# Allegro board S071AA-0413-20260427_Power3.brd (continued)
## Routing (per net, layer and track width the routed paths; a pad name or vN(x,y) marks a point on that pad's centre or on a via; arc(x,y) is an arc through that point) (continued)
; KS3.7 40.66,147.98 ; 180.61,347.17 D114.B10 ; D114.B10 181.42,347.98 ; D114.B10 180.61,348.79 ; D114.B10 179.8,347.98 ; 45.99,380.19 D431.B5 ; D431.B5 46.8,381 ; D431.B5 45.18,381 ; D431.B5 45.99,381.81 ; 95.98,332.74 CSDPS225.B14 ; CSDPS225.B14 97.6,332.74 ; CSDPS225.B14 96.79,331.93 ; CSDPS225.B14 96.79,333.55 ; 16.07,361.95 UHC430.G1 ; UHC430.G1 16.88,362.76 ; UHC430.G1 16.88,361.14 ; UHC430.G1 17.69,361.95 ; 253.46,393.7 D112.A10 ; D112.A10 255.08,393.7 ; D112.A10 254.27,392.89 ; D112.A10 254.27,394.51 ; 88.36,16.51 DPS3.B01 ; DPS3.B01 89.17,17.32 ; DPS3.B01 89.98,16.51 ; DPS3.B01 89.17,15.7 ; D121.B13 119.65,99.87 ; D121.B13 120.46,99.06 ; D121.B13 118.84,99.06 ; D121.B13 119.65,98.25 ; D119.B1 16.32,58.42 ; D119.B1 14.7,58.42 ; D119.B1 15.51,57.61 ; D119.B1 15.51,59.23 ; CSDPS426.C11 105.22,360.68 ; CSDPS426.C11 104.41,359.87 ; CSDPS426.C11 103.6,360.68 ; CSDPS426.C11 104.41,361.49 ; D227.B9 109.49,371.65 ; D227.B9 110.3,370.84 ; D227.B9 108.68,370.84 ; D227.B9 109.49,370.03 ; D115.B4 196.66,368.3 ; D115.B4 195.85,367.49 ; D115.B4 195.85,369.11 ; D115.B4 195.04,368.3 ; 109.49,400.51 D428.B9 ; D428.B9 109.49,402.13 ; D428.B9 108.68,401.32 ; D428.B9 110.3,401.32 ; 190.77,55.07 D103.A12 ; D103.A12 189.96,55.88 ; D103.A12 190.77,56.69 ; D103.A12 191.58,55.88 ; 182.34,396.24 D116.A9 ; D116.A9 183.15,395.43 ; D116.A9 183.15,397.05 ; D116.A9 183.96,396.24 ; 114.57,400.51 D428.B7 ; D428.B7 113.76,401.32 ; D428.B7 115.38,401.32 ; D428.B7 114.57,402.13 ; KS3.6 54.47,149.1 ; KS3.6 52.24,149.1 ; KS3.6 53.36,147.98 ; KS3.6 53.36,150.22 ; D114.A8 185.69,353.87 ; D114.A8 184.88,353.06 ; D114.A8 185.69,352.25 ; D114.A8 186.5,353.06 ; D120.B2 18.86,40.64 ; D120.B2 18.05,39.83 ; D120.B2 18.05,41.45 ; D120.B2 17.24,40.64 ; D108.B5 247.46,38.1 ; D108.B5 246.65,38.91 ; D108.B5 246.65,37.29 ; D108.B5 245.84,38.1 ; D105.A1 237.3,93.98 ; D105.A1 236.49,94.79 ; D105.A1 235.68,93.98 ; D105.A1 236.49,93.17 ; D124.B4 97.6,40.64 ; D124.B4 96.79,39.83 ; D124.B4 95.98,40.64 ; D124.B4 96.79,41.45 ; 90.9,383.54 D427.A16 ; D427.A16 92.52,383.54 ; D427.A16 91.71,382.73 ; D427.A16 91.71,384.35 ; D232.A1 56.15,397.05 ; D232.A1 55.34,396.24 ; D232.A1 56.96,396.24 ; D232.A1 56.15,395.43 ; 14.7,78.74 D118.B1 ; D118.B1 15.51,79.55 ; D118.B1 15.51,77.93 ; D118.B1 16.32,78.74 ; D227.B11 104.41,371.65 ; D227.B11 104.41,370.03 ; D227.B11 105.22,370.84 ; D227.B11 103.6,370.84 ; 30.75,380.19 D431.B11 ; D431.B11 29.94,381 ; D431.B11 31.56,381 ; D431.B11 30.75,381.81 ; 118.84,401.32 D428.B5 ; D428.B5 120.46,401.32 ; D428.B5 119.65,400.51 ; D428.B5 119.65,402.13 ; 175.53,80.47 D102.B6 ; D102.B6 176.34,81.28 ; D102.B6 175.53,82.09 ; D102.B6 174.72,81.28 ; D118.A1 16.32,73.66 ; D118.A1 14.7,73.66 ; D118.A1 15.51,74.47 ; D118.A1 15.51,72.85 ; 178.07,375.11 D115.A11 ; D115.A11 178.88,375.92 ; D115.A11 178.07,376.73 ; D115.A11 177.26,375.92 ; 244.11,39.83 D108.B4 ; D108.B4 244.11,41.45 ; D108.B4 243.3,40.64 ; D108.B4 244.92,40.64 ; 264.43,326.85 D109.B6 ; D109.B6 265.24,327.66 ; D109.B6 264.43,328.47 ; D109.B6 263.62,327.66 ; 271.24,396.24 D112.A3 ; D112.A3 272.86,396.24 ; D112.A3 272.05,395.43 ; D112.A3 272.05,397.05 ; D109.B7 261.89,331.01 ; D109.B7 262.7,330.2 ; D109.B7 261.08,330.2 ; D109.B7 261.89,329.39 ; D106.A10 259.35,77.01 ; D106.A10 260.16,76.2 ; D106.A10 259.35,75.39 ; D106.A10 258.54,76.2 ; D105.B15 272.86,99.06 ; D105.B15 272.05,98.25 ; D105.B15 272.05,99.87 ; D105.B15 271.24,99.06 ; D431.A1 56.96,386.08 ; D431.A1 56.15,385.27 ; D431.A1 55.34,386.08 ; D431.A1 56.15,386.89 ; 203.47,411.94 DPS2.B01 ; DPS2.B01 203.47,413.56 ; DPS2.B01 202.66,412.75 ; DPS2.B01 204.28,412.75 ; D114.B13 172.99,351.33 ; D114.B13 173.8,350.52 ; D114.B13 172.99,349.71 ; D114.B13 172.18,350.52 ; 93.44,330.2 CSDPS225.C15 ; CSDPS225.C15 94.25,331.01 ; CSDPS225.C15 95.06,330.2 ; CSDPS225.C15 94.25,329.39 ; 251.73,334.47 D109.A11 ; D109.A11 251.73,336.09 ; D109.A11 250.92,335.28 ; D109.A11 252.54,335.28 ; 126.46,60.96 D123.B16 ; D123.B16 127.27,61.77 ; D123.B16 127.27,60.15 ; D123.B16 128.08,60.96 ; 33.29,75.39 D118.A8 ; D118.A8 32.48,76.2 ; D118.A8 33.29,77.01 ; D118.A8 34.1,76.2 ; D110.A11 252.54,355.6 ; D110.A11 251.73,356.41 ; D110.A11 250.92,355.6 ; D110.A11 251.73,354.79 ; 47.72,101.6 D117.B14 ; D117.B14 48.53,100.79 ; D117.B14 49.34,101.6 ; D117.B14 48.53,102.41 ; D118.B5 26.48,78.74 ; D118.B5 25.67,77.93 ; D118.B5 25.67,79.55 ; D118.B5 24.86,78.74 ; 98.52,340.36 CSDPS425.C13 ; CSDPS425.C13 99.33,341.17 ; CSDPS425.C13 99.33,339.55 ; CSDPS425.C13 100.14,340.36 ; D107.A14 269.51,56.69 ; D107.A14 268.7,55.88 ; D107.A14 269.51,55.07 ; D107.A14 270.32,55.88 ; D227.B16 91.71,369.11 ; D227.B16 92.52,368.3 ; D227.B16 91.71,367.49 ; D227.B16 90.9,368.3 ; CSDPS426.C3 125.54,360.68 ; CSDPS426.C3 124.73,361.49 ; CSDPS426.C3 123.92,360.68 ; CSDPS426.C3 124.73,359.87 ; 108.68,391.16 D228.B9 ; D228.B9 109.49,391.97 ; D228.B9 109.49,390.35 ; D228.B9 110.3,391.16 ; 180.61,80.47 D102.B8 ; D102.B8 179.8,81.28 ; D102.B8 181.42,81.28 ; D102.B8 180.61,82.09 ; 241.57,354.79 D110.A15 ; D110.A15 240.76,355.6 ; D110.A15 242.38,355.6 ; D110.A15 241.57,356.41 ; 14.92,353.54 UHC230.G4_5 ; UHC230.G4_5 15.73,352.73 ; UHC230.G4_5 15.73,354.35 ; UHC230.G4_5 16.54,353.54 ; 94.25,385.27 D427.A15 ; D427.A15 95.06,386.08 ; D427.A15 94.25,386.89 ; D427.A15 93.44,386.08 ; CSDPS426.C5 120.46,360.68 ; CSDPS426.C5 118.84,360.68 ; CSDPS426.C5 119.65,359.87 ; CSDPS426.C5 119.65,361.49 ; D116.B10 180.61,389.43 ; D116.B10 180.61,387.81 ; D116.B10 179.8,388.62 ; D116.B10 181.42,388.62 ; 22.32,332.74 CSDPS229.B14 ; CSDPS229.B14 23.94,332.74 ; CSDPS229.B14 23.13,331.93 ; CSDPS229.B14 23.13,333.55 ; 249.19,55.07 D107.A6 ; D107.A6 248.38,55.88 ; D107.A6 250,55.88 ; D107.A6 249.19,56.69 ; 45.18,412.75 DPS8.B05 ; DPS8.B05 45.99,413.56 ; DPS8.B05 45.99,411.94 ; DPS8.B05 46.8,412.75 ; D124.A1 89.98,33.02 ; D124.A1 89.17,32.21 ; D124.A1 88.36,33.02 ; D124.A1 89.17,33.83 ; 271.24,330.2 D109.B3 ; D109.B3 272.05,331.01 ; D109.B3 272.86,330.2 ; D109.B3 272.05,329.39 ; 108.68,99.06 D121.B9 ; D121.B9 109.49,99.87 ; D121.B9 109.49,98.25 ; D121.B9 110.3,99.06 ; 256.81,37.29 D108.B9 ; D108.B9 256,38.1 ; D108.B9 257.62,38.1 ; D108.B9 256.81,38.91 ; D107.B1 236.49,59.23 ; D107.B1 236.49,57.61 ; D107.B1 237.3,58.42 ; D107.B1 235.68,58.42 ; 124.73,57.61 D123.B15 ; D123.B15 124.73,59.23 ; D123.B15 123.92,58.42 ; D123.B15 125.54,58.42 ; D122.A6 102.68,76.2 ; D122.A6 101.06,76.2 ; D122.A6 101.87,77.01 ; D122.A6 101.87,75.39 ; D119.A14 49.34,55.88 ; D119.A14 47.72,55.88 ; D119.A14 48.53,56.69 ; D119.A14 48.53,55.07 ; D117.B8 34.1,101.6 ; D117.B8 33.29,102.41 ; D117.B8 32.48,101.6 ; D117.B8 33.29,100.79 ; D107.A15 272.05,54.15 ; D107.A15 272.05,52.53 ; D107.A15 272.86,53.34 ; D107.A15 271.24,53.34 ; D111.A10 255.08,373.38 ; D111.A10 254.27,372.57 ; D111.A10 254.27,374.19 ; D111.A10 253.46,373.38 ; CSDPS225.B16 92.52,332.74 ; CSDPS225.B16 91.71,331.93 ; CSDPS225.B16 91.71,333.55 ; CSDPS225.B16 90.9,332.74 ; 169.64,96.52 D101.A4 ; D101.A4 171.26,96.52 ; D101.A4 170.45,97.33 ; D101.A4 170.45,95.71 ; 170.45,75.39 D102.A4 ; D102.A4 171.26,76.2 ; D102.A4 169.64,76.2 ; D102.A4 170.45,77.01 ; DPS8.B15 20.59,413.56 ; DPS8.B15 21.4,412.75 ; DPS8.B15 20.59,411.94 ; DPS8.B15 19.78,412.75 ; 35.02,330.2 CSDPS229.C9 ; CSDPS229.C9 36.64,330.2 ; CSDPS229.C9 35.83,329.39 ; CSDPS229.C9 35.83,331.01 ; D113.B1 203.47,331.01 ; D113.B1 204.28,330.2 ; D113.B1 202.66,330.2 ; D113.B1 203.47,329.39 ; 93.44,401.32 D428.B15 ; D428.B15 94.25,402.13 ; D428.B15 94.25,400.51 ; D428.B15 95.06,401.32 ; UHC230.G4_4 18.03,354.35 ; UHC230.G4_4 18.03,352.73 ; UHC230.G4_4 17.22,353.54 ; UHC230.G4_4 18.84,353.54 ; 177.26,415.29 DPS2.A11 ; DPS2.A11 178.07,416.1 ; DPS2.A11 178.88,415.29 ; DPS2.A11 178.07,414.48 ; 243.3,332.74 D109.A14 ; D109.A14 244.92,332.74 ; D109.A14 244.11,331.93 ; D109.A14 244.11,333.55 ; D117.B4 23.13,102.41 ; D117.B4 23.13,100.79 ; D117.B4 22.32,101.6 ; D117.B4 23.94,101.6 ; D105.B2 239.03,102.41 ; D105.B2 238.22,101.6 ; D105.B2 239.03,100.79 ; D105.B2 239.84,101.6 ; D432.A12 29.02,403.86 ; D432.A12 27.4,403.86 ; D432.A12 28.21,403.05 ; D432.A12 28.21,404.67 ; D108.A2 239.03,36.37 ; D108.A2 239.84,35.56 ; D108.A2 239.03,34.75 ; D108.A2 238.22,35.56 ; 248.38,40.64 D108.B6 ; D108.B6 249.19,41.45 ; D108.B6 249.19,39.83 ; D108.B6 250,40.64 ; D231.A12 28.21,374.19 ; D231.A12 28.21,372.57 ; D231.A12 27.4,373.38 ; D231.A12 29.02,373.38 ; D117.B16 54.42,101.6 ; D117.B16 52.8,101.6 ; D117.B16 53.61,102.41 ; D117.B16 53.61,100.79 ; 52.8,342.9 CSDPS429.B2 ; CSDPS429.B2 54.42,342.9 ; CSDPS429.B2 53.61,342.09 ; CSDPS429.B2 53.61,343.71 ; D110.B8 260.16,347.98 ; D110.B8 259.35,347.17 ; D110.B8 258.54,347.98 ; D110.B8 259.35,348.79 ; 103.6,350.52 CSDPS226.C11 ; CSDPS226.C11 104.41,351.33 ; CSDPS226.C11 105.22,350.52 ; CSDPS226.C11 104.41,349.71 ; 177.26,350.52 D114.B11 ; D114.B11 178.07,351.33 ; D114.B11 178.88,350.52 ; D114.B11 178.07,349.71 ; 89.17,405.59 D428.A17 ; D428.A17 89.98,406.4 ; D428.A17 89.17,407.21 ; D428.A17 88.36,406.4 ; 169.64,40.64 D104.B4 ; D104.B4 170.45,39.83 ; D104.B4 171.26,40.64 ; D104.B4 170.45,41.45 ; D121.A16 127.27,97.33 ; D121.A16 127.27,95.71 ; D121.A16 128.08,96.52 ; D121.A16 126.46,96.52 ; D101.B3 168.72,99.06 ; D101.B3 167.91,99.87 ; D101.B3 167.1,99.06 ; D101.B3 167.91,98.25 ; D114.A4 195.85,353.87 ; D114.A4 196.66,353.06 ; D114.A4 195.04,353.06 ; D114.A4 195.85,352.25 ; D103.B11 188.23,59.23 ; D103.B11 187.42,58.42 ; D103.B11 189.04,58.42 ; D103.B11 188.23,57.61 ; DPS8.A05 45.99,416.1 ; DPS8.A05 46.8,415.29 ; DPS8.A05 45.18,415.29 ; DPS8.A05 45.99,414.48 ; 195.85,387.81 D116.B4 ; D116.B4 195.85,389.43 ; D116.B4 196.66,388.62 ; D116.B4 195.04,388.62 ; 93.44,360.68 CSDPS426.C15 ; CSDPS426.C15 94.25,361.49 ; CSDPS426.C15 95.06,360.68 ; CSDPS426.C15 94.25,359.87 ; 272.05,390.35 D112.B3 ; D112.B3 272.86,391.16 ; D112.B3 271.24,391.16 ; D112.B3 272.05,391.97 ; D120.A16 54.42,35.56 ; D120.A16 53.61,36.37 ; D120.A16 52.8,35.56 ; D120.A16 53.61,34.75 ; D111.A4 270.32,373.38 ; D111.A4 269.51,374.19 ; D111.A4 268.7,373.38 ; D111.A4 269.51,372.57 ; D107.A13 267.78,53.34 ; D107.A13 266.97,52.53 ; D107.A13 266.16,53.34 ; D107.A13 266.97,54.15 ; D427.B15 95.06,381 ; D427.B15 93.44,381 ; D427.B15 94.25,381.81 ; D427.B15 94.25,380.19 ; D227.B8 112.84,368.3 ; D227.B8 112.03,367.49 ; D227.B8 112.03,369.11 ; D227.B8 111.22,368.3 ; 268.7,60.96 D107.B14 ; D107.B14 270.32,60.96 ; D107.B14 269.51,60.15 ; D107.B14 269.51,61.77 ; 104.41,98.25 D121.B7 ; D121.B7 104.41,99.87 ; D121.B7 103.6,99.06 ; D121.B7 105.22,99.06 ; D123.B12 117.11,61.77 ; D123.B12 117.92,60.96 ; D123.B12 116.3,60.96 ; D123.B12 117.11,60.15 ; 106.14,96.52 D121.A8 ; D121.A8 106.95,95.71 ; D121.A8 106.95,97.33 ; D121.A8 107.76,96.52 ; D111.A16 239.03,374.19 ; D111.A16 239.84,373.38 ; D111.A16 238.22,373.38 ; D111.A16 239.03,372.57 ; 37.56,373.38 D231.A8 ; D231.A8 38.37,374.19 ; D231.A8 38.37,372.57 ; D231.A8 39.18,373.38 ; 250.92,38.1 D108.B7 ; D108.B7 251.73,38.91 ; D108.B7 252.54,38.1 ; D108.B7 251.73,37.29 ; 101.06,35.56 D124.A6 ; D124.A6 101.87,34.75 ; D124.A6 101.87,36.37 ; D124.A6 102.68,35.56 ; UHC430.G2_10 46.34,360.2 ; UHC430.G2_10 45.53,359.39 ; UHC430.G2_10 45.53,361.01 ; UHC430.G2_10 44.72,360.2 ; UHC230.G4_13 14.58,349.1 ; UHC230.G4_13 15.39,348.29 ; UHC230.G4_13 14.58,347.48 ; UHC230.G4_13 13.77,348.29 ; 98.52,370.84 D227.B13 ; D227.B13 100.14,370.84 ; D227.B13 99.33,371.65 ; D227.B13 99.33,370.03 ; 174.72,368.3 D115.B12 ; D115.B12 176.34,368.3 ; D115.B12 175.53,367.49 ; D115.B12 175.53,369.11 ; D427.B2 128.08,378.46 ; D427.B2 126.46,378.46 ; D427.B2 127.27,379.27 ; D427.B2 127.27,377.65 ; 30.75,414.48 DPS8.A11 ; DPS8.A11 30.75,416.1 ; DPS8.A11 31.56,415.29 ; DPS8.A11 29.94,415.29 ; D432.A6 43.45,404.67 ; D432.A6 42.64,403.86 ; D432.A6 44.26,403.86 ; D432.A6 43.45,403.05 ; 195.04,96.52 D101.A14 ; D101.A14 195.85,95.71 ; D101.A14 196.66,96.52 ; D101.A14 195.85,97.33 ; 174.72,55.88 D103.A6 ; D103.A6 176.34,55.88 ; D103.A6 175.53,56.69 ; D103.A6 175.53,55.07 ; D228.B12 102.68,388.62 ; D228.B12 101.06,388.62 ; D228.B12 101.87,389.43 ; D228.B12 101.87,387.81 ; 24.86,370.84 D231.B13 ; D231.B13 25.67,371.65 ; D231.B13 26.48,370.84 ; D231.B13 25.67,370.03 ; 51.07,380.19 D431.B3 ; D431.B3 51.88,381 ; D431.B3 51.07,381.81 ; D431.B3 50.26,381 ; UHC230.G4_11 19.18,349.1 ; UHC230.G4_11 19.18,347.48 ; UHC230.G4_11 18.37,348.29 ; UHC230.G4_11 19.99,348.29 ; D427.B17 89.17,381.81 ; D427.B17 88.36,381 ; D427.B17 89.98,381 ; D427.B17 89.17,380.19 ; D120.B7 30.75,38.91 ; D120.B7 30.75,37.29 ; D120.B7 31.56,38.1 ; D120.B7 29.94,38.1 ; DPS2.A01 203.47,416.1 ; DPS2.A01 202.66,415.29 ; DPS2.A01 204.28,415.29 ; DPS2.A01 203.47,414.48 ; D118.B2 18.86,81.28 ; D118.B2 18.05,80.47 ; D118.B2 17.24,81.28 ; D118.B2 18.05,82.09 ; 174.72,76.2 D102.A6 ; D102.A6 175.53,75.39 ; D102.A6 176.34,76.2 ; D102.A6 175.53,77.01 ; D103.B1 162.83,59.23 ; D103.B1 162.83,57.61 ; D103.B1 162.02,58.42 ; D103.B1 163.64,58.42 ; D123.A16 127.27,56.69 ; D123.A16 128.08,55.88 ; D123.A16 126.46,55.88 ; D123.A16 127.27,55.07 ; D103.A7 178.07,54.15 ; D103.A7 178.88,53.34 ; D103.A7 178.07,52.53 ; D103.A7 177.26,53.34 ; D102.A12 191.58,76.2 ; D102.A12 189.96,76.2 ; D102.A12 190.77,77.01 ; D102.A12 190.77,75.39 ; 44.38,347.48 UHC230.G3_13 ; UHC230.G3_13 45.19,348.29 ; UHC230.G3_13 43.57,348.29 ; UHC230.G3_13 44.38,349.1 ; 193.31,93.17 D101.A13 ; D101.A13 194.12,93.98 ; D101.A13 193.31,94.79 ; D101.A13 192.5,93.98 ; CSDPS226.B4 122.19,353.87 ; CSDPS226.B4 123,353.06 ; CSDPS226.B4 121.38,353.06 ; CSDPS226.B4 122.19,352.25 ; 114.57,13.16 DPS3.A11 ; DPS3.A11 115.38,13.97 ; DPS3.A11 113.76,13.97 ; DPS3.A11 114.57,14.78 ; D110.B10 255.08,347.98 ; D110.B10 254.27,347.17 ; D110.B10 254.27,348.79 ; D110.B10 253.46,347.98 ; D119.A3 20.59,54.15 ; D119.A3 21.4,53.34 ; D119.A3 19.78,53.34 ; D119.A3 20.59,52.53 ; D110.A4 270.32,353.06 ; D110.A4 269.51,353.87 ; D110.A4 268.7,353.06 ; D110.A4 269.51,352.25 ; D228.B13 100.14,391.16 ; D228.B13 99.33,390.35 ; D228.B13 98.52,391.16 ; D228.B13 99.33,391.97 ; 104.41,405.59 D428.A11 ; D428.A11 105.22,406.4 ; D428.A11 103.6,406.4 ; D428.A11 104.41,407.21 ; D112.B7 261.89,391.97 ; D112.B7 262.7,391.16 ; D112.B7 261.08,391.16 ; D112.B7 261.89,390.35 ; 167.91,370.03 D115.B15 ; D115.B15 167.1,370.84 ; D115.B15 168.72,370.84 ; D115.B15 167.91,371.65 ; D108.A12 264.43,36.37 ; D108.A12 265.24,35.56 ; D108.A12 264.43,34.75 ; D108.A12 263.62,35.56 ; D122.A13 119.65,74.47 ; D122.A13 120.46,73.66 ; D122.A13 118.84,73.66 ; D122.A13 119.65,72.85 ; D114.B7 188.23,351.33 ; D114.B7 187.42,350.52 ; D114.B7 189.04,350.52 ; D114.B7 188.23,349.71 ; D105.A2 239.03,97.33 ; D105.A2 239.03,95.71 ; D105.A2 238.22,96.52 ; D105.A2 239.84,96.52 ; 95.98,353.06 CSDPS226.B14 ; CSDPS226.B14 97.6,353.06 ; CSDPS226.B14 96.79,353.87 ; CSDPS226.B14 96.79,352.25 ; 127.27,342.09 CSDPS425.B2 ; CSDPS425.B2 128.08,342.9 ; CSDPS425.B2 127.27,343.71 ; CSDPS425.B2 126.46,342.9 ; 184.88,368.3 D115.B8 ; D115.B8 185.69,369.11 ; D115.B8 186.5,368.3 ; D115.B8 185.69,367.49 ; D232.A12 28.21,394.51 ; D232.A12 27.4,393.7 ; D232.A12 28.21,392.89 ; D232.A12 29.02,393.7 ; 45.18,396.24 D232.A5 ; D232.A5 45.99,395.43 ; D232.A5 46.8,396.24 ; D232.A5 45.99,397.05 ; D108.A10 259.35,36.37 ; D108.A10 260.16,35.56 ; D108.A10 258.54,35.56 ; D108.A10 259.35,34.75 ; D119.B7 30.75,59.23 ; D119.B7 29.94,58.42 ; D119.B7 31.56,58.42 ; D119.B7 30.75,57.61 ; D101.A10 186.5,96.52 ; D101.A10 185.69,95.71 ; D101.A10 185.69,97.33 ; D101.A10 184.88,96.52 ; 99.33,385.27 D427.A13 ; D427.A13 99.33,386.89 ; D427.A13 98.52,386.08 ; D427.A13 100.14,386.08 ; D122.A12 117.11,77.01 ; D122.A12 117.92,76.2 ; D122.A12 116.3,76.2 ; D122.A12 117.11,75.39 ; D102.B2 165.37,82.09 ; D102.B2 166.18,81.28 ; D102.B2 165.37,80.47 ; D102.B2 164.56,81.28 ; D117.B1 15.51,99.87 ; D117.B1 15.51,98.25 ; D117.B1 14.7,99.06 ; D117.B1 16.32,99.06 ; 235.68,19.05 DPS1.C01 ; DPS1.C01 236.49,18.24 ; DPS1.C01 237.3,19.05 ; DPS1.C01 236.49,19.86 ; D123.A5 99.33,54.15 ; D123.A5 99.33,52.53 ; D123.A5 98.52,53.34 ; D123.A5 100.14,53.34 ; D124.B16 127.27,41.45 ; D124.B16 126.46,40.64 ; D124.B16 127.27,39.83 ; D124.B16 128.08,40.64 ; 114.57,370.03 D227.B7 ; D227.B7 114.57,371.65 ; D227.B7 115.38,370.84 ; D227.B7 113.76,370.84 ; 167.91,414.48 DPS2.A15 ; DPS2.A15 168.72,415.29 ; DPS2.A15 167.1,415.29 ; DPS2.A15 167.91,416.1 ; 175.53,39.83 D104.B6 ; D104.B6 174.72,40.64 ; D104.B6 175.53,41.45 ; D104.B6 176.34,40.64 ; D104.A4 171.26,35.56 ; D104.A4 170.45,36.37 ; D104.A4 169.64,35.56 ; D104.A4 170.45,34.75 ; 29.94,391.16 D232.B11 ; D232.B11 30.75,391.97 ; D232.B11 31.56,391.16 ; D232.B11 30.75,390.35 ; 114.57,18.24 DPS3.C11 ; DPS3.C11 114.57,19.86 ; DPS3.C11 115.38,19.05 ; DPS3.C11 113.76,19.05 ; D123.A11 114.57,54.15 ; D123.A11 115.38,53.34 ; D123.A11 114.57,52.53 ; D123.A11 113.76,53.34 ; D121.B10 112.84,101.6 ; D121.B10 111.22,101.6 ; D121.B10 112.03,102.41 ; D121.B10 112.03,100.79 ; 167.91,390.35 D116.B15 ; D116.B15 167.91,391.97 ; D116.B15 167.1,391.16 ; D116.B15 168.72,391.16 ; D108.A15 272.86,33.02 ; D108.A15 272.05,32.21 ; D108.A15 271.24,33.02 ; D108.A15 272.05,33.83 ; 124.73,370.03 D227.B3 ; D227.B3 123.92,370.84 ; D227.B3 125.54,370.84 ; D227.B3 124.73,371.65 ; 272.05,37.29 D108.B15 ; D108.B15 271.24,38.1 ; D108.B15 272.05,38.91 ; D108.B15 272.86,38.1 ; 29.94,330.2 CSDPS229.C11 ; CSDPS229.C11 30.75,331.01 ; CSDPS229.C11 31.56,330.2 ; CSDPS229.C11 30.75,329.39 ; 243.3,60.96 D107.B4 ; D107.B4 244.11,60.15 ; D107.B4 244.92,60.96 ; D107.B4 244.11,61.77 ; 241.57,37.29 D108.B3 ; D108.B3 240.76,38.1 ; D108.B3 241.57,38.91 ; D108.B3 242.38,38.1 ; CSDPS226.C9 109.49,351.33 ; CSDPS226.C9 108.68,350.52 ; CSDPS226.C9 110.3,350.52 ; CSDPS226.C9 109.49,349.71 ; CSDPS429.C11 30.75,341.17 ; CSDPS429.C11 29.94,340.36 ; CSDPS429.C11 31.56,340.36 ; CSDPS429.C11 30.75,339.55 ; D231.B17 16.32,370.84 ; D231.B17 15.51,370.03 ; D231.B17 15.51,371.65 ; D231.B17 14.7,370.84 ; 253.46,40.64 D108.B8 ; D108.B8 255.08,40.64 ; D108.B8 254.27,39.83 ; D108.B8 254.27,41.45 ; D428.B12 102.68,398.78 ; D428.B12 101.06,398.78 ; D428.B12 101.87,399.59 ; D428.B12 101.87,397.97 ; 91.71,75.39 D122.A2 ; D122.A2 92.52,76.2 ; D122.A2 90.9,76.2 ; D122.A2 91.71,77.01 ; D227.A9 110.3,375.92 ; D227.A9 109.49,376.73 ; D227.A9 109.49,375.11 ; D227.A9 108.68,375.92 ; D228.A9 110.3,396.24 ; D228.A9 109.49,395.43 ; D228.A9 108.68,396.24 ; D228.A9 109.49,397.05 ; D105.B8 255.08,101.6 ; D105.B8 254.27,100.79 ; D105.B8 254.27,102.41 ; D105.B8 253.46,101.6 ; D431.B8 38.37,379.27 ; D431.B8 39.18,378.46 ; D431.B8 37.56,378.46 ; D431.B8 38.37,377.65 ; KS4.7 41.77,156.72 ; KS4.7 39.54,156.72 ; KS4.7 40.66,155.6 ; KS4.7 40.66,157.84 ; 40.91,52.53 D119.A11 ; D119.A11 40.1,53.34 ; D119.A11 40.91,54.15 ; D119.A11 41.72,53.34 ; 40.1,375.92 D231.A7 ; D231.A7 40.91,376.73 ; D231.A7 40.91,375.11 ; D231.A7 41.72,375.92 ; D113.B4 195.85,328.47 ; D113.B4 195.04,327.66 ; D113.B4 195.85,326.85 ; D113.B4 196.66,327.66 ; 45.99,32.21 D120.A13 ; D120.A13 46.8,33.02 ; D120.A13 45.99,33.83 ; D120.A13 45.18,33.02 ; D116.B7 189.04,391.16 ; D116.B7 187.42,391.16 ; D116.B7 188.23,390.35 ; D116.B7 188.23,391.97 ; 101.87,403.05 D428.A12 ; D428.A12 102.68,403.86 ; D428.A12 101.06,403.86 ; D428.A12 101.87,404.67 ; D231.B2 53.61,369.11 ; D231.B2 53.61,367.49 ; D231.B2 52.8,368.3 ; D231.B2 54.42,368.3 ; D101.A6 176.34,96.52 ; D101.A6 174.72,96.52 ; D101.A6 175.53,97.33 ; D101.A6 175.53,95.71 ; 271.24,58.42 D107.B15 ; D107.B15 272.05,59.23 ; D107.B15 272.05,57.61 ; D107.B15 272.86,58.42 ; 245.84,19.05 DPS1.C05 ; DPS1.C05 246.65,18.24 ; DPS1.C05 247.46,19.05 ; DPS1.C05 246.65,19.86 ; 245.84,58.42 D107.B5 ; D107.B5 246.65,57.61 ; D107.B5 246.65,59.23 ; D107.B5 247.46,58.42 ; D427.B3 125.54,381 ; D427.B3 124.73,380.19 ; D427.B3 123.92,381 ; D427.B3 124.73,381.81 ; CSDPS226.C5 120.46,350.52 ; CSDPS226.C5 118.84,350.52 ; CSDPS226.C5 119.65,351.33 ; CSDPS226.C5 119.65,349.71 ; 261.89,375.11 D111.A7 ; D111.A7 261.89,376.73 ; D111.A7 262.7,375.92 ; D111.A7 261.08,375.92 ; 200.12,368.3 D115.B2 ; D115.B2 200.93,367.49 ; D115.B2 200.93,369.11 ; D115.B2 201.74,368.3 ; 43.57,365.45 UHC430.G2_3 ; UHC430.G2_3 45.19,365.45 ; UHC430.G2_3 44.38,364.64 ; UHC430.G2_3 44.38,366.26 ; 47.83,352.73 UHC230.G3_4 ; UHC230.G3_4 48.64,353.54 ; UHC230.G3_4 47.83,354.35 ; UHC230.G3_4 47.02,353.54 ; 193.31,375.11 D115.A5 ; D115.A5 194.12,375.92 ; D115.A5 193.31,376.73 ; D115.A5 192.5,375.92 ; CSDPS426.C1 130.62,360.68 ; CSDPS426.C1 129.81,359.87 ; CSDPS426.C1 129.81,361.49 ; CSDPS426.C1 129,360.68 ; D123.B8 106.95,61.77 ; D123.B8 107.76,60.96 ; D123.B8 106.14,60.96 ; D123.B8 106.95,60.15 ; CSDPS429.B10 33.29,343.71 ; CSDPS429.B10 32.48,342.9 ; CSDPS429.B10 33.29,342.09 ; CSDPS429.B10 34.1,342.9 ; D109.A16 239.84,332.74 ; D109.A16 239.03,333.55 ; D109.A16 239.03,331.93 ; D109.A16 238.22,332.74 ; 47.02,350.04 UHC230.G3_9 ; UHC230.G3_9 47.83,349.23 ; UHC230.G3_9 48.64,350.04 ; UHC230.G3_9 47.83,350.85 ; 111.22,40.64 D124.B10 ; D124.B10 112.03,39.83 ; D124.B10 112.03,41.45 ; D124.B10 112.84,40.64 ; 52.8,60.96 D119.B16 ; D119.B16 54.42,60.96 ; D119.B16 53.61,61.77 ; D119.B16 53.61,60.15 ; D428.A16 91.71,404.67 ; D428.A16 90.9,403.86 ; D428.A16 92.52,403.86 ; D428.A16 91.71,403.05 ; D103.A3 167.91,54.15 ; D103.A3 168.72,53.34 ; D103.A3 167.91,52.53 ; D103.A3 167.1,53.34 ; 37.56,368.3 D231.B8 ; D231.B8 39.18,368.3 ; D231.B8 38.37,369.11 ; D231.B8 38.37,367.49 ; 193.31,52.53 D103.A13 ; D103.A13 193.31,54.15 ; D103.A13 194.12,53.34 ; D103.A13 192.5,53.34 ; 98.52,13.97 DPS3.A05 ; DPS3.A05 100.14,13.97 ; DPS3.A05 99.33,14.78 ; DPS3.A05 99.33,13.16 ; 165.37,352.25 D114.A16 ; D114.A16 166.18,353.06 ; D114.A16 165.37,353.87 ; D114.A16 164.56,353.06 ; 190.77,372.57 D115.A6 ; D115.A6 189.96,373.38 ; D115.A6 190.77,374.19 ; D115.A6 191.58,373.38 ; 256.81,370.03 D111.B9 ; D111.B9 256,370.84 ; D111.B9 257.62,370.84 ; D111.B9 256.81,371.65 ; 129.81,385.27 D427.A1 ; D427.A1 129.81,386.89 ; D427.A1 129,386.08 ; D427.A1 130.62,386.08 ; D104.B1 162.83,38.91 ; D104.B1 162.83,37.29 ; D104.B1 163.64,38.1 ; D104.B1 162.02,38.1 ; 162.02,33.02 D104.A1 ; D104.A1 163.64,33.02 ; D104.A1 162.83,32.21 ; D104.A1 162.83,33.83 ; D107.A1 236.49,54.15 ; D107.A1 235.68,53.34 ; D107.A1 236.49,52.53 ; D107.A1 237.3,53.34 ; 187.42,396.24 D116.A7 ; D116.A7 188.23,397.05 ; D116.A7 188.23,395.43 ; D116.A7 189.04,396.24 ; D102.A11 189.04,73.66 ; D102.A11 188.23,74.47 ; D102.A11 187.42,73.66 ; D102.A11 188.23,72.85 ; DPS1.A11 262.7,13.97 ; DPS1.A11 261.89,13.16 ; DPS1.A11 261.08,13.97 ; DPS1.A11 261.89,14.78 ; D112.B2 274.59,389.43 ; D112.B2 275.4,388.62 ; D112.B2 273.78,388.62 ; D112.B2 274.59,387.81 ; CSDPS425.C9 110.3,340.36 ; CSDPS425.C9 108.68,340.36 ; CSDPS425.C9 109.49,339.55 ; CSDPS425.C9 109.49,341.17 ; D227.A13 99.33,376.73 ; D227.A13 99.33,375.11 ; D227.A13 98.52,375.92 ; D227.A13 100.14,375.92 ; 269.51,326.85 D109.B4 ; D109.B4 270.32,327.66 ; D109.B4 269.51,328.47 ; D109.B4 268.7,327.66 ; 124.73,52.53 D123.A15 ; D123.A15 123.92,53.34 ; D123.A15 124.73,54.15 ; D123.A15 125.54,53.34 ; UHC430.G1_12 16.88,359.26 ; UHC430.G1_12 17.69,358.45 ; UHC430.G1_12 16.07,358.45 ; UHC430.G1_12 16.88,357.64 ; D114.B12 175.53,348.79 ; D114.B12 174.72,347.98 ; D114.B12 176.34,347.98 ; D114.B12 175.53,347.17 ; D102.B16 201.74,81.28 ; D102.B16 200.12,81.28 ; D102.B16 200.93,80.47 ; D102.B16 200.93,82.09 ; 272.05,93.17 D105.A15 ; D105.A15 271.24,93.98 ; D105.A15 272.05,94.79 ; D105.A15 272.86,93.98 ; 114.57,77.93 D122.B11 ; D122.B11 114.57,79.55 ; D122.B11 113.76,78.74 ; D122.B11 115.38,78.74 ; 22.32,40.64 D120.B4 ; D120.B4 23.94,40.64 ; D120.B4 23.13,41.45 ; D120.B4 23.13,39.83 ; D232.B13 26.48,391.16 ; D232.B13 24.86,391.16 ; D232.B13 25.67,391.97 ; D232.B13 25.67,390.35 ; D123.A9 110.3,53.34 ; D123.A9 109.49,52.53 ; D123.A9 109.49,54.15 ; D123.A9 108.68,53.34 ; D113.A10 180.61,333.55 ; D113.A10 180.61,331.93 ; D113.A10 179.8,332.74 ; D113.A10 181.42,332.74 ; D114.A3 199.2,355.6 ; D114.A3 198.39,354.79 ; D114.A3 198.39,356.41 ; D114.A3 197.58,355.6 ; D227.A15 94.25,376.73 ; D227.A15 93.44,375.92 ; D227.A15 95.06,375.92 ; D227.A15 94.25,375.11 ; D115.A8 185.69,374.19 ; D115.A8 186.5,373.38 ; D115.A8 185.69,372.57 ; D115.A8 184.88,373.38 ; D104.A7 178.07,33.83 ; D104.A7 177.26,33.02 ; D104.A7 178.88,33.02 ; D104.A7 178.07,32.21 ; D431.A13 26.48,386.08 ; D431.A13 25.67,385.27 ; D431.A13 25.67,386.89 ; D431.A13 24.86,386.08 ; 248.38,76.2 D106.A6 ; D106.A6 250,76.2 ; D106.A6 249.19,77.01 ; D106.A6 249.19,75.39 ; D116.B13 173.8,391.16 ; D116.B13 172.18,391.16 ; D116.B13 172.99,390.35 ; D116.B13 172.99,391.97 ; 250.92,375.92 D111.A11 ; D111.A11 252.54,375.92 ; D111.A11 251.73,376.73 ; D111.A11 251.73,375.11 ; D428.B14 97.6,398.78 ; D428.B14 95.98,398.78 ; D428.B14 96.79,397.97 ; D428.B14 96.79,399.59 ; 263.62,81.28 D106.B12 ; D106.B12 264.43,82.09 ; D106.B12 264.43,80.47 ; D106.B12 265.24,81.28 ; 172.18,58.42 D103.B5 ; D103.B5 172.99,59.23 ; D103.B5 173.8,58.42 ; D103.B5 172.99,57.61 ; 112.03,392.89 D228.A8 ; D228.A8 111.22,393.7 ; D228.A8 112.03,394.51 ; D228.A8 112.84,393.7 ; 118.84,33.02 D124.A13 ; D124.A13 119.65,33.83 ; D124.A13 120.46,33.02 ; D124.A13 119.65,32.21 ; 269.51,95.71 D105.A14 ; D105.A14 269.51,97.33 ; D105.A14 270.32,96.52 ; D105.A14 268.7,96.52 ; D231.A13 25.67,376.73 ; D231.A13 25.67,375.11 ; D231.A13 26.48,375.92 ; D231.A13 24.86,375.92 ; 246.65,52.53 D107.A5 ; D107.A5 246.65,54.15 ; D107.A5 245.84,53.34 ; D107.A5 247.46,53.34 ; CSDPS226.B12 102.68,353.06 ; CSDPS226.B12 101.87,353.87 ; CSDPS226.B12 101.06,353.06 ; CSDPS226.B12 101.87,352.25 ; DPS8.C01 56.96,410.21 ; DPS8.C01 56.15,409.4 ; DPS8.C01 55.34,410.21 ; DPS8.C01 56.15,411.02 ; 16.88,347.48 UHC230.G4_12 ; UHC230.G4_12 16.88,349.1 ; UHC230.G4_12 16.07,348.29 ; UHC230.G4_12 17.69,348.29 ; 202.66,410.21 DPS2.C01 ; DPS2.C01 204.28,410.21 ; DPS2.C01 203.47,411.02 ; DPS2.C01 203.47,409.4 ; D119.A1 15.51,54.15 ; D119.A1 15.51,52.53 ; D119.A1 16.32,53.34 ; D119.A1 14.7,53.34 ; 274.59,326.85 D109.B2 ; D109.B2 275.4,327.66 ; D109.B2 273.78,327.66 ; D109.B2 274.59,328.47 ; 190.77,100.79 D101.B12 ; D101.B12 189.96,101.6 ; D101.B12 191.58,101.6 ; D101.B12 190.77,102.41 ; 37.56,403.86 D432.A8 ; D432.A8 38.37,404.67 ; D432.A8 39.18,403.86 ; D432.A8 38.37,403.05 ; UHC430.G2_6 49.79,361.95 ; UHC430.G2_6 48.17,361.95 ; UHC430.G2_6 48.98,361.14 ; UHC430.G2_6 48.98,362.76 ; 183.15,354.79 D114.A9 ; D114.A9 183.15,356.41 ; D114.A9 182.34,355.6 ; D114.A9 183.96,355.6 ; D111.A13 247.46,375.92 ; D111.A13 246.65,376.73 ; D111.A13 245.84,375.92 ; D111.A13 246.65,375.11 ; CSDPS225.C3 125.54,330.2 ; CSDPS225.C3 123.92,330.2 ; CSDPS225.C3 124.73,331.01 ; CSDPS225.C3 124.73,329.39 ; D115.A1 204.28,375.92 ; D115.A1 202.66,375.92 ; D115.A1 203.47,375.11 ; D115.A1 203.47,376.73 ; D432.B13 26.48,401.32 ; D432.B13 25.67,402.13 ; D432.B13 24.86,401.32 ; D432.B13 25.67,400.51 ; 188.23,93.17 D101.A11 ; D101.A11 188.23,94.79 ; D101.A11 189.04,93.98 ; D101.A11 187.42,93.98 ; 47.72,81.28 D118.B14 ; D118.B14 48.53,80.47 ; D118.B14 49.34,81.28 ; D118.B14 48.53,82.09 ; 184.88,347.98 D114.B8 ; D114.B8 185.69,347.17 ; D114.B8 185.69,348.79 ; D114.B8 186.5,347.98 ; 172.99,329.39 D113.B13 ; D113.B13 173.8,330.2 ; D113.B13 172.18,330.2 ; D113.B13 172.99,331.01 ; 22.32,393.7 D232.A14 ; D232.A14 23.94,393.7 ; D232.A14 23.13,394.51 ; D232.A14 23.13,392.89 ; 238.22,388.62 D112.B16 ; D112.B16 239.03,387.81 ; D112.B16 239.03,389.43 ; D112.B16 239.84,388.62 ; D231.A2 53.61,374.19 ; D231.A2 54.42,373.38 ; D231.A2 52.8,373.38 ; D231.A2 53.61,372.57 ; D105.B4 244.92,101.6 ; D105.B4 244.11,100.79 ; D105.B4 243.3,101.6 ; D105.B4 244.11,102.41 ; UHC430.G1_4 18.03,364.51 ; UHC430.G1_4 18.84,363.7 ; UHC430.G1_4 18.03,362.89 ; UHC430.G1_4 17.22,363.7 ; D101.B10 186.5,101.6 ; D101.B10 185.69,100.79 ; D101.B10 185.69,102.41 ; D101.B10 184.88,101.6 ; 121.38,96.52 D121.A14 ; D121.A14 122.19,97.33 ; D121.A14 123,96.52 ; D121.A14 122.19,95.71 ; CSDPS425.C7 114.57,341.17 ; CSDPS425.C7 114.57,339.55 ; CSDPS425.C7 115.38,340.36 ; CSDPS425.C7 113.76,340.36 ; 106.14,363.22 CSDPS426.B10 ; CSDPS426.B10 106.95,364.03 ; CSDPS426.B10 106.95,362.41 ; CSDPS426.B10 107.76,363.22 ; 35.83,72.85 D118.A9 ; D118.A9 35.02,73.66 ; D118.A9 36.64,73.66 ; D118.A9 35.83,74.47 ; D227.B6 117.11,369.11 ; D227.B6 117.92,368.3 ; D227.B6 117.11,367.49 ; D227.B6 116.3,368.3 ; 106.14,388.62 D228.B10 ; D228.B10 107.76,388.62 ; D228.B10 106.95,389.43 ; D228.B10 106.95,387.81 ; 116.3,96.52 D121.A12 ; D121.A12 117.11,95.71 ; D121.A12 117.92,96.52 ; D121.A12 117.11,97.33 ; D105.B12 265.24,101.6 ; D105.B12 264.43,100.79 ; D105.B12 263.62,101.6 ; D105.B12 264.43,102.41 ; 240.76,335.28 D109.A15 ; D109.A15 242.38,335.28 ; D109.A15 241.57,336.09 ; D109.A15 241.57,334.47 ; CSDPS229.B6 43.45,333.55 ; CSDPS229.B6 42.64,332.74 ; CSDPS229.B6 44.26,332.74 ; CSDPS229.B6 43.45,331.93 ; 167.1,93.98 D101.A3 ; D101.A3 167.91,93.17 ; D101.A3 167.91,94.79 ; D101.A3 168.72,93.98 ; 109.49,405.59 D428.A9 ; D428.A9 109.49,407.21 ; D428.A9 110.3,406.4 ; D428.A9 108.68,406.4 ; CSDPS226.B16 91.71,353.87 ; CSDPS226.B16 92.52,353.06 ; CSDPS226.B16 91.71,352.25 ; CSDPS226.B16 90.9,353.06 ; 236.49,72.85 D106.A1 ; D106.A1 236.49,74.47 ; D106.A1 235.68,73.66 ; D106.A1 237.3,73.66 ; D231.B1 56.96,370.84 ; D231.B1 55.34,370.84 ; D231.B1 56.15,370.03 ; D231.B1 56.15,371.65 ; DPS3.B15 125.54,16.51 ; DPS3.B15 123.92,16.51 ; DPS3.B15 124.73,17.32 ; DPS3.B15 124.73,15.7 ; D121.B1 89.17,99.87 ; D121.B1 89.17,98.25 ; D121.B1 88.36,99.06 ; D121.B1 89.98,99.06 ; D120.B13 45.99,38.91 ; D120.B13 45.18,38.1 ; D120.B13 46.8,38.1 ; D120.B13 45.99,37.29 ; D103.A8 181.42,55.88 ; D103.A8 180.61,55.07 ; D103.A8 179.8,55.88 ; D103.A8 180.61,56.69 ; 48.17,348.29 UHC230.G3_11 ; UHC230.G3_11 49.79,348.29 ; UHC230.G3_11 48.98,347.48 ; UHC230.G3_11 48.98,349.1 ; D113.B6 190.77,328.47 ; D113.B6 190.77,326.85 ; D113.B6 189.96,327.66 ; D113.B6 191.58,327.66 ; D107.A7 252.54,53.34 ; D107.A7 251.73,54.15 ; D107.A7 250.92,53.34 ; D107.A7 251.73,52.53 ; D108.A16 275.4,35.56 ; D108.A16 274.59,36.37 ; D108.A16 273.78,35.56 ; D108.A16 274.59,34.75 ; 185.69,392.89 D116.A8 ; D116.A8 184.88,393.7 ; D116.A8 186.5,393.7 ; D116.A8 185.69,394.51 ; D124.B3 95.06,38.1 ; D124.B3 94.25,38.91 ; D124.B3 94.25,37.29 ; D124.B3 93.44,38.1 ; D105.A7 251.73,94.79 ; D105.A7 250.92,93.98 ; D105.A7 252.54,93.98 ; D105.A7 251.73,93.17 ; D109.A2 275.4,332.74 ; D109.A2 274.59,331.93 ; D109.A2 273.78,332.74 ; D109.A2 274.59,333.55 ; D114.B6 190.77,348.79 ; D114.B6 191.58,347.98 ; D114.B6 189.96,347.98 ; D114.B6 190.77,347.17 ; 277.13,329.39 D109.B1 ; D109.B1 277.13,331.01 ; D109.B1 276.32,330.2 ; D109.B1 277.94,330.2 ; 89.17,93.17 D121.A1 ; D121.A1 88.36,93.98 ; D121.A1 89.98,93.98 ; D121.A1 89.17,94.79 ; D232.A9 36.64,396.24 ; D232.A9 35.83,397.05 ; D232.A9 35.02,396.24 ; D232.A9 35.83,395.43 ; 277.13,354.79 D110.A1 ; D110.A1 276.32,355.6 ; D110.A1 277.94,355.6 ; D110.A1 277.13,356.41 ; D106.A14 270.32,76.2 ; D106.A14 269.51,77.01 ; D106.A14 268.7,76.2 ; D106.A14 269.51,75.39 ; KS4.6 54.47,156.72 ; KS4.6 53.36,157.84 ; KS4.6 53.36,155.6 ; KS4.6 52.24,156.72 ; 193.31,77.93 D102.B13 ; D102.B13 192.5,78.74 ; D102.B13 193.31,79.55 ; D102.B13 194.12,78.74 ; D427.A6 117.92,383.54 ; D427.A6 117.11,382.73 ; D427.A6 117.11,384.35 ; D427.A6 116.3,383.54 ; 20.59,395.43 D232.A15 ; D232.A15 19.78,396.24 ; D232.A15 20.59,397.05 ; D232.A15 21.4,396.24 ; 33.29,34.75 D120.A8 ; D120.A8 32.48,35.56 ; D120.A8 33.29,36.37 ; D120.A8 34.1,35.56 ; D105.B16 274.59,102.41 ; D105.B16 273.78,101.6 ; D105.B16 275.4,101.6 ; D105.B16 274.59,100.79 ; 118.84,330.2 CSDPS225.C5 ; CSDPS225.C5 119.65,329.39 ; CSDPS225.C5 119.65,331.01 ; CSDPS225.C5 120.46,330.2 ; D227.B15 94.25,371.65 ; D227.B15 94.25,370.03 ; D227.B15 95.06,370.84 ; D227.B15 93.44,370.84 ; D227.B17 89.98,370.84 ; D227.B17 89.17,371.65 ; D227.B17 88.36,370.84 ; D227.B17 89.17,370.03 ; 188.23,334.47 D113.A7 ; D113.A7 187.42,335.28 ; D113.A7 188.23,336.09 ; D113.A7 189.04,335.28 ; D115.B3 198.39,371.65 ; D115.B3 197.58,370.84 ; D115.B3 198.39,370.03 ; D115.B3 199.2,370.84 ; D427.B5 120.46,381 ; D427.B5 119.65,381.81 ; D427.B5 119.65,380.19 ; D427.B5 118.84,381 ; 18.03,359.39 UHC430.G1_9 ; UHC430.G1_9 18.03,361.01 ; UHC430.G1_9 17.22,360.2 ; UHC430.G1_9 18.84,360.2 ; D110.B3 272.86,350.52 ; D110.B3 272.05,351.33 ; D110.B3 271.24,350.52 ; D110.B3 272.05,349.71 ; 248.38,60.96 D107.B6 ; D107.B6 249.19,61.77 ; D107.B6 250,60.96 ; D107.B6 249.19,60.15 ; 122.19,331.93 CSDPS225.B4 ; CSDPS225.B4 122.19,333.55 ; CSDPS225.B4 123,332.74 ; CSDPS225.B4 121.38,332.74 ; 48.53,367.49 D231.B4 ; D231.B4 47.72,368.3 ; D231.B4 48.53,369.11 ; D231.B4 49.34,368.3 ; D124.B9 109.49,38.91 ; D124.B9 110.3,38.1 ; D124.B9 109.49,37.29 ; D124.B9 108.68,38.1 ; D112.B9 257.62,391.16 ; D112.B9 256.81,391.97 ; D112.B9 256.81,390.35 ; D112.B9 256,391.16 ; D120.B6 28.21,41.45 ; D120.B6 29.02,40.64 ; D120.B6 27.4,40.64 ; D120.B6 28.21,39.83 ; D108.A14 269.51,36.37 ; D108.A14 269.51,34.75 ; D108.A14 268.7,35.56 ; D108.A14 270.32,35.56 ; 101.06,373.38 D227.A12 ; D227.A12 101.87,372.57 ; D227.A12 101.87,374.19 ; D227.A12 102.68,373.38 ; 272.05,354.79 D110.A3 ; D110.A3 271.24,355.6 ; D110.A3 272.86,355.6 ; D110.A3 272.05,356.41 ; D114.B5 193.31,351.33 ; D114.B5 193.31,349.71 ; D114.B5 192.5,350.52 ; D114.B5 194.12,350.52 ; 50.26,99.06 D117.B15 ; D117.B15 51.07,98.25 ; D117.B15 51.07,99.87 ; D124.B6 101.87,41.45 ; D124.B6 101.06,40.64 ; D124.B6 102.68,40.64 ; D124.B6 101.87,39.83 ; D108.A4 244.11,36.37 ; D108.A4 244.11,34.75 ; D108.A4 244.92,35.56 ; D108.A4 243.3,35.56 ; CSDPS225.C11 104.41,331.01 ; CSDPS225.C11 105.22,330.2 ; CSDPS225.C11 103.6,330.2 ; CSDPS225.C11 104.41,329.39 ; 103.6,381 D427.B11 ; D427.B11 104.41,380.19 ; D427.B11 104.41,381.81 ; D427.B11 105.22,381 ; D102.B9 183.96,78.74 ; D102.B9 183.15,79.55 ; D102.B9 183.15,77.93 ; D102.B9 182.34,78.74 ; D428.B11 104.41,402.13 ; D428.B11 103.6,401.32 ; D428.B11 104.41,400.51 ; D428.B11 105.22,401.32 ; D109.A10 254.27,333.55 ; D109.A10 254.27,331.93 ; D109.A10 255.08,332.74 ; D109.A10 253.46,332.74 ; 274.59,372.57 D111.A2 ; D111.A2 275.4,373.38 ; D111.A2 274.59,374.19 ; D111.A2 273.78,373.38 ; CSDPS229.C3 51.07,331.01 ; CSDPS229.C3 51.88,330.2 ; CSDPS229.C3 50.26,330.2 ; CSDPS229.C3 51.07,329.39 ; 264.43,331.93 D109.A6 ; D109.A6 265.24,332.74 ; D109.A6 263.62,332.74 ; D109.A6 264.43,333.55 ; D431.A14 23.94,383.54 ; D431.A14 22.32,383.54 ; D431.A14 23.13,382.73 ; D431.A14 23.13,384.35 ; D113.A11 178.07,336.09 ; D113.A11 177.26,335.28 ; D113.A11 178.88,335.28 ; D113.A11 178.07,334.47 ; D120.A14 48.53,36.37 ; D120.A14 48.53,34.75 ; D120.A14 49.34,35.56 ; D120.A14 47.72,35.56 ; 235.68,33.02 D108.A1 ; D108.A1 236.49,32.21 ; D108.A1 237.3,33.02 ; D108.A1 236.49,33.83 ; 126.46,368.3 D227.B2 ; D227.B2 127.27,369.11 ; D227.B2 127.27,367.49 ; D227.B2 128.08,368.3 ; 167.91,77.93 D102.B3 ; D102.B3 168.72,78.74 ; D102.B3 167.1,78.74 ; D102.B3 167.91,79.55 ; 45.99,77.93 D118.B13 ; D118.B13 45.99,79.55 ; D118.B13 45.18,78.74 ; D118.B13 46.8,78.74 ; 123.92,401.32 D428.B3 ; D428.B3 124.73,402.13 ; D428.B3 125.54,401.32 ; D428.B3 124.73,400.51 ; D428.A5 119.65,407.21 ; D428.A5 119.65,405.59 ; D428.A5 118.84,406.4 ; D428.A5 120.46,406.4 ; UHC230.G3 47.49,351.79 ; UHC230.G3 46.68,350.98 ; UHC230.G3 46.68,352.6 ; UHC230.G3 45.87,351.79 ; D121.B16 128.08,101.6 ; D121.B16 127.27,102.41 ; D121.B16 126.46,101.6 ; D121.B16 127.27,100.79 ; D123.A3 94.25,54.15 ; D123.A3 94.25,52.53 ; D123.A3 93.44,53.34 ; D123.A3 95.06,53.34 ; D232.A8 38.37,394.51 ; D232.A8 38.37,392.89 ; D232.A8 39.18,393.7 ; D232.A8 37.56,393.7 ; D101.B7 178.07,99.87 ; D101.B7 178.88,99.06 ; D101.B7 177.26,99.06 ; D101.B7 178.07,98.25 ; 182.34,73.66 D102.A9 ; D102.A9 183.96,73.66 ; D102.A9 183.15,74.47 ; D102.A9 183.15,72.85 ; 129.81,339.55 CSDPS425.C1 ; CSDPS425.C1 130.62,340.36 ; CSDPS425.C1 129.81,341.17 ; CSDPS425.C1 129,340.36 ; 122.19,377.65 D427.B4 ; D427.B4 121.38,378.46 ; D427.B4 123,378.46 ; D427.B4 122.19,379.27 ; D118.A15 51.07,74.47 ; D118.A15 50.26,73.66 ; D118.A15 51.88,73.66 ; D118.A15 51.07,72.85 ; 14.7,381 D431.B17 ; D431.B17 15.51,380.19 ; D431.B17 15.51,381.81 ; D431.B17 16.32,381 ; 123.92,406.4 D428.A3 ; D428.A3 124.73,405.59 ; D428.A3 125.54,406.4 ; D428.A3 124.73,407.21 ; D432.B7 41.72,401.32 ; D432.B7 40.1,401.32 ; D432.B7 40.91,402.13 ; D432.B7 40.91,400.51 ; D104.A16 200.93,36.37 ; D104.A16 200.12,35.56 ; D104.A16 200.93,34.75 ; D104.A16 201.74,35.56 ; D115.B11 178.07,371.65 ; D115.B11 178.88,370.84 ; D115.B11 178.07,370.03 ; D115.B11 177.26,370.84 ; D123.A14 123,55.88 ; D123.A14 122.19,56.69 ; D123.A14 122.19,55.07 ; D123.A14 121.38,55.88 ; 16.07,351.79 UHC230.G4 ; UHC230.G4 16.88,350.98 ; UHC230.G4 16.88,352.6 ; UHC230.G4 17.69,351.79 ; UHC430.G1_6 19.99,361.95 ; UHC430.G1_6 19.18,361.14 ; UHC430.G1_6 18.37,361.95 ; UHC430.G1_6 19.18,362.76 ; D231.A1 56.15,376.73 ; D231.A1 56.96,375.92 ; D231.A1 55.34,375.92 ; D231.A1 56.15,375.11 ; D432.A3 51.88,406.4 ; D432.A3 51.07,407.21 ; D432.A3 51.07,405.59 ; D432.A3 50.26,406.4 ; 51.07,52.53 D119.A15 ; D119.A15 51.07,54.15 ; D119.A15 51.88,53.34 ; D119.A15 50.26,53.34 ; 24.86,406.4 D432.A13 ; D432.A13 26.48,406.4 ; D432.A13 25.67,407.21 ; D432.A13 25.67,405.59 ; 195.85,100.79 D101.B14 ; D101.B14 195.04,101.6 ; D101.B14 196.66,101.6 ; D101.B14 195.85,102.41 ; 48.98,364.64 UHC430.G2_1 ; UHC430.G2_1 48.98,366.26 ; UHC430.G2_1 48.17,365.45 ; UHC430.G2_1 49.79,365.45 ; 30.75,409.4 DPS8.C11 ; DPS8.C11 30.75,411.02 ; DPS8.C11 31.56,410.21 ; DPS8.C11 29.94,410.21 ; 193.31,334.47 D113.A5 ; D113.A5 192.5,335.28 ; D113.A5 194.12,335.28 ; D113.A5 193.31,336.09 ; 164.56,101.6 D101.B2 ; D101.B2 165.37,100.79 ; D101.B2 165.37,102.41 ; D101.B2 166.18,101.6 ; 109.49,93.17 D121.A9 ; D121.A9 109.49,94.79 ; D121.A9 108.68,93.98 ; D121.A9 110.3,93.98 ; D118.A10 38.37,77.01 ; D118.A10 37.56,76.2 ; D118.A10 39.18,76.2 ; D118.A10 38.37,75.39 ; D104.A10 185.69,36.37 ; D104.A10 184.88,35.56 ; D104.A10 185.69,34.75 ; D104.A10 186.5,35.56 ; 261.08,19.05 DPS1.C11 ; DPS1.C11 261.89,18.24 ; DPS1.C11 261.89,19.86 ; DPS1.C11 262.7,19.05 ; D111.B16 239.03,369.11 ; D111.B16 238.22,368.3 ; D111.B16 239.84,368.3 ; D111.B16 239.03,367.49 ; 266.16,391.16 D112.B5 ; D112.B5 266.97,390.35 ; D112.B5 267.78,391.16 ; D112.B5 266.97,391.97 ; D431.B12 28.21,379.27 ; D431.B12 27.4,378.46 ; D431.B12 28.21,377.65 ; D431.B12 29.02,378.46 ; DPS2.A05 194.12,415.29 ; DPS2.A05 192.5,415.29 ; DPS2.A05 193.31,414.48 ; DPS2.A05 193.31,416.1 ; 14.7,38.1 D120.B1 ; D120.B1 15.51,38.91 ; D120.B1 15.51,37.29 ; D120.B1 16.32,38.1 ; D105.A11 261.89,94.79 ; D105.A11 261.89,93.17 ; D105.A11 262.7,93.98 ; D105.A11 261.08,93.98 ; 109.49,385.27 D427.A9 ; D427.A9 109.49,386.89 ; D427.A9 110.3,386.08 ; D427.A9 108.68,386.08 ; D107.A8 254.27,56.69 ; D107.A8 253.46,55.88 ; D107.A8 254.27,55.07 ; D107.A8 255.08,55.88 ; 167.91,411.94 DPS2.B15 ; DPS2.B15 167.91,413.56 ; DPS2.B15 167.1,412.75 ; DPS2.B15 168.72,412.75 ; 51.07,385.27 D431.A3 ; D431.A3 50.26,386.08 ; D431.A3 51.88,386.08 ; D431.A3 51.07,386.89 ; D120.B8 33.29,41.45 ; D120.B8 32.48,40.64 ; D120.B8 34.1,40.64 ; D120.B8 33.29,39.83 ; 53.61,75.39 D118.A16 ; D118.A16 53.61,77.01 ; D118.A16 54.42,76.2 ; D118.A16 52.8,76.2 ; D102.A3 168.72,73.66 ; D102.A3 167.1,73.66 ; D102.A3 167.91,72.85 ; D102.A3 167.91,74.47 ; D101.A2 166.18,96.52 ; D101.A2 165.37,97.33 ; D101.A2 164.56,96.52 ; D101.A2 165.37,95.71 ; 43.45,387.81 D232.B6 ; D232.B6 43.45,389.43 ; D232.B6 42.64,388.62 ; D232.B6 44.26,388.62 ; D111.A6 265.24,373.38 ; D111.A6 263.62,373.38 ; D111.A6 264.43,374.19 ; D111.A6 264.43,372.57 ; 99.33,93.17 D121.A5 ; D121.A5 99.33,94.79 ; D121.A5 98.52,93.98 ; D121.A5 100.14,93.98 ; 22.32,388.62 D232.B14 ; D232.B14 23.13,387.81 ; D232.B14 23.94,388.62 ; D232.B14 23.13,389.43 ; 25.67,329.39 CSDPS229.C13 ; CSDPS229.C13 24.86,330.2 ; CSDPS229.C13 26.48,330.2 ; CSDPS229.C13 25.67,331.01 ; D103.A11 188.23,54.15 ; D103.A11 189.04,53.34 ; D103.A11 188.23,52.53 ; D103.A11 187.42,53.34 ; D122.B9 109.49,79.55 ; D122.B9 110.3,78.74 ; D122.B9 108.68,78.74 ; D122.B9 109.49,77.93 ; 101.87,331.93 CSDPS225.B12 ; CSDPS225.B12 101.06,332.74 ; CSDPS225.B12 101.87,333.55 ; CSDPS225.B12 102.68,332.74 ; 198.39,52.53 D103.A15 ; D103.A15 198.39,54.15 ; D103.A15 199.2,53.34 ; D103.A15 197.58,53.34 ; D102.A16 200.93,77.01 ; D102.A16 